# Altium PCB KlusterLab r2.0.PcbDoc (part 17 of 22) (continued)
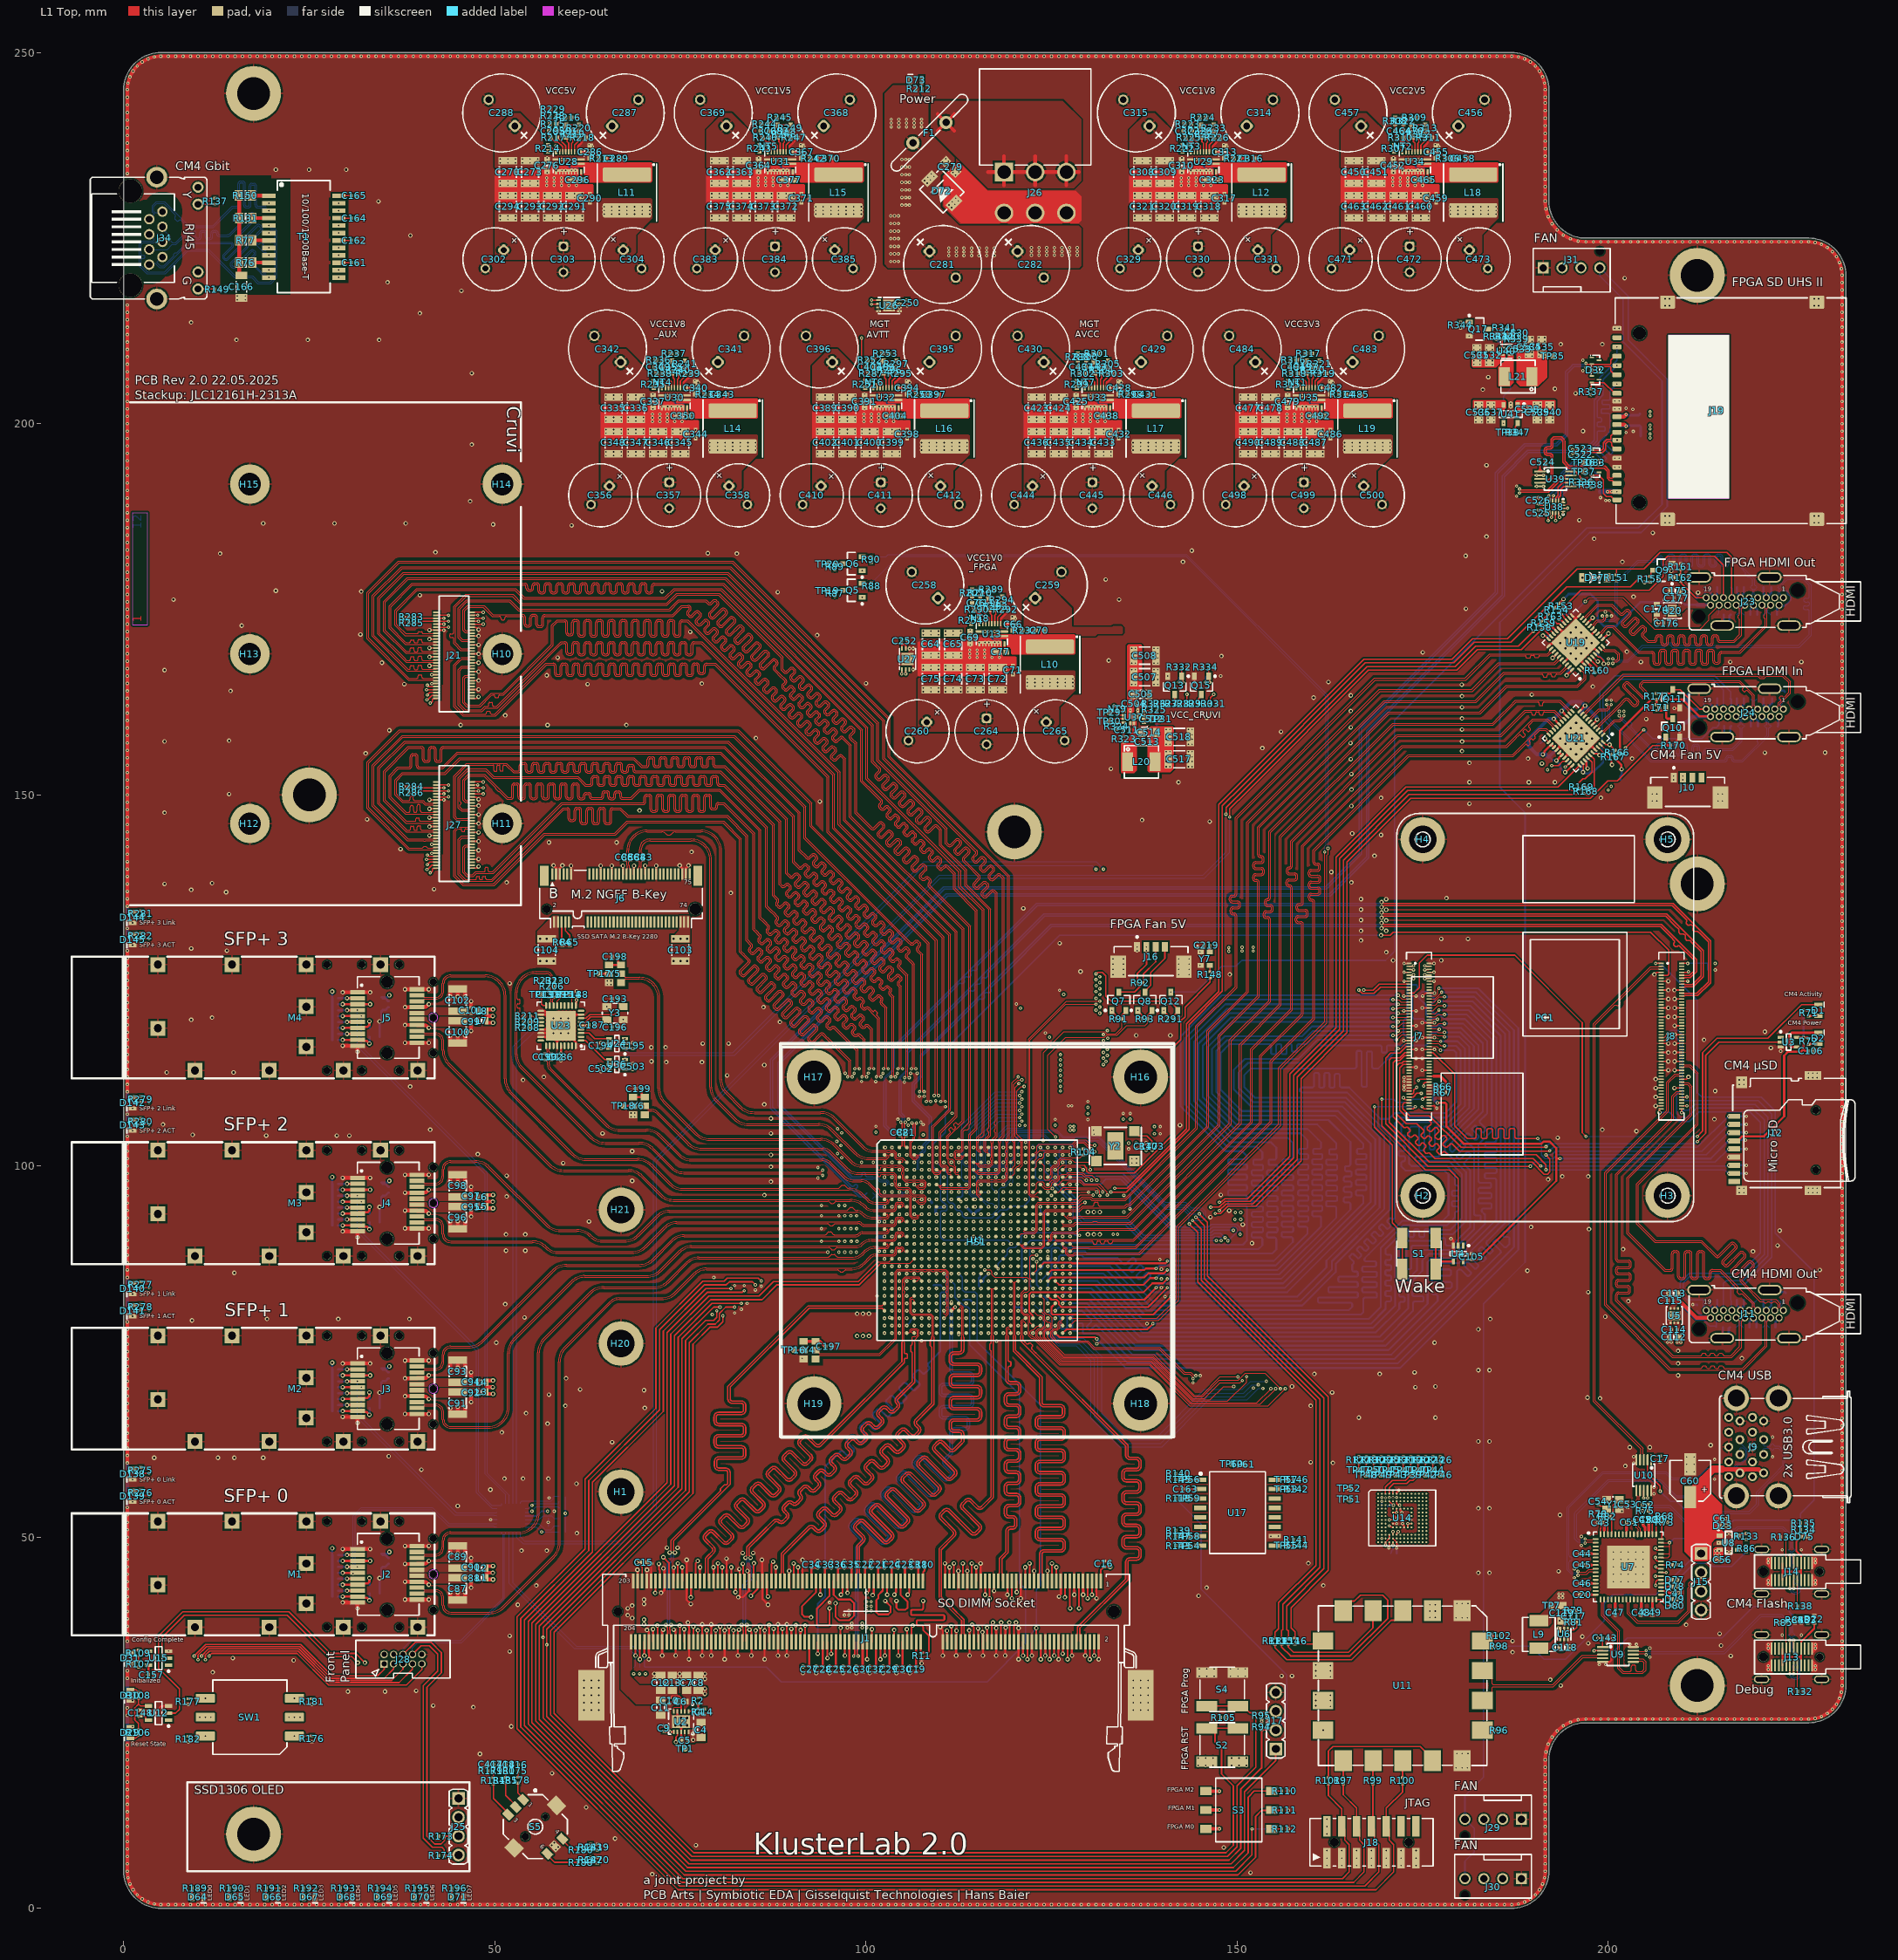
[diagram p0: L1 Top view]
## Nets (pads, with @x,y where several pads share a name; then routed paths per layer and width w, separated by ;. In a path a pad name is that pad's centre, name@x,y a point inside that pad or via, vN(x,y) a via of type N, cw(c..) or ccw(c..) an arc to the next point about the centre after c; other vN are vias at no path point) (continued)
MGTX115_RX2_N: J4.12 U1.L3 | length 71.2
  L1 Top w0.1: 101.586,91.887 101.6,91.9 103.71,91.9 ccw(c103.71,92.29) 104.099,92.29 ; 104.101,92.293 104.101,92.644 cw(c104.357,92.644) 104.357,92.9 104.689,92.9 ; U1.L3@104.5,92.5 104.802,92.5 ; 104.669,92.9 104.682,92.9 cw(c104.681,92.8) 104.689,92.9 cw(c104.669,92.645) 104.905,92.742 cw(c104.669,92.645) 104.925,92.644 104.925,92.61 cw(c104.814,92.61) 104.814,92.5
  L1 Top w0.114: J4.12@39.5,92.4 40.2,92.4 40.48,92.68 41.98,92.68 cw(c41.98,91.759) 42.9,91.759 42.9,90.841 ccw(c44.061,90.841) 44.061,89.68 44.911,89.68 55.017,89.68 cw(c55.017,87.114) 56.831,88.928 56.88,88.88 ccw(c58.4,90.4) 58.4,88.25 68.447,88.25 ccw(c68.447,91.056) 70.431,89.072 72.979,91.62 cw(c74.5,90.099) 74.5,92.25 90.326,92.25 94.796,92.25 cw(c94.796,92.064) 94.928,92.195 95.121,92.003 ccw(c95.249,92.131) 95.249,91.95 95.449,91.95 ccw(c95.449,92.131) 95.577,92.003 95.824,92.25 98.9,92.25 98.938,92.25 cw(c98.938,91.738) 99.3,92.1 ccw(c99.849,92.649) 99.849,91.873 101.586,91.873
MGTX115_RX2_P: J4.13 U1.L4 | length 71.3
  L1 Top w0.1: 101.586,92.114 101.6,92.1 103.65,92.1 ccw(c103.65,92.351) 103.901,92.351 103.901,92.71 cw(c104.29,92.71) 104.29,93.1 104.353,93.1 ; 104.357,93.1 ccw(c104.357,92.644) 104.353,93.1 ; 105.125,92.61 105.125,92.644 ccw(c104.669,92.645) 105.124,92.656 ; 105.125,92.71 ccw(c104.735,92.71) 104.735,93.1 104.353,93.1 ; 105.125,92.61 ccw(c105.236,92.61) 105.236,92.5 ; 105.125,92.656 cw(c105.225,92.659) 105.125,92.659 105.125,92.71 ; 105.247,92.5 U1.L4@105.5,92.5 U1.L4@105.549,92.5
  L1 Top w0.114: J4.13@39.5,93.2 40.2,93.2 40.48,92.92 41.98,92.92 cw(c41.98,91.759) 43.141,91.759 43.141,90.841 ccw(c44.061,90.841) 44.061,89.92 44.811,89.92 55.017,89.92 cw(c55.017,87.114) 57.002,89.098 57.05,89.05 ccw(c58.4,90.4) 58.4,88.491 68.447,88.491 ccw(c68.447,91.056) 70.261,89.242 72.809,91.79 cw(c74.5,90.099) 74.5,92.491 98.938,92.491 cw(c98.938,91.738) 99.47,92.27 ccw(c99.849,92.649) 99.849,92.114 101.586,92.114
MGTX115_RX3_N: J5.12 U1.J3 | length 77.9
  L1 Top w0.1: 101.586,93.887 101.6,93.9 103.71,93.9 ccw(c103.71,94.29) 104.099,94.29 ; 104.101,94.293 104.101,94.644 cw(c104.357,94.644) 104.357,94.9 104.689,94.9 ; U1.J3@104.5,94.5 104.802,94.5 ; 104.669,94.9 104.682,94.9 cw(c104.681,94.8) 104.689,94.9 ; 104.814,94.5 ccw(c104.814,94.61) 104.925,94.61 104.925,94.644 ccw(c104.669,94.645) 104.905,94.742 ccw(c104.669,94.645) 104.689,94.9
  L1 Top w0.114: J5.12@39.5,117.4 40.2,117.4 40.48,117.68 41.98,117.68 cw(c41.98,116.759) 42.9,116.759 42.9,115.841 42.9,115.611 ccw(c45.681,115.611) 43.714,113.645 57.278,100.081 ccw(c59.263,102.065) 59.263,99.259 67.947,99.259 cw(c67.947,96.694) 69.761,98.508 72.309,95.96 ccw(c74,97.651) 74,95.259 94.894,95.259 94.896,95.258 cw(c94.896,95.072) 95.027,95.203 95.22,95.011 ccw(c95.348,95.139) 95.348,94.958 95.548,94.958 ccw(c95.548,95.139) 95.676,95.011 95.868,95.203 cw(c96,95.072) 96,95.258 96.001,95.259 97.889,95.259 cw(c97.889,92.719) 99.685,94.515 99.71,94.49 ccw(c101.2,95.98) 101.2,93.873 101.586,93.873
MGTX115_RX3_P: J5.13 U1.J4 | length 78
  L1 Top w0.1: 101.586,94.114 101.6,94.1 103.65,94.1 ccw(c103.65,94.351) 103.901,94.351 103.901,94.71 cw(c104.29,94.71) 104.29,95.1 104.353,95.1 ; 104.357,95.1 ccw(c104.357,94.644) 104.353,95.1 ; 105.125,94.61 105.125,94.644 ccw(c104.669,94.645) 105.124,94.656 ; 105.125,94.71 ccw(c104.735,94.71) 104.735,95.1 104.353,95.1 ; 105.125,94.61 ccw(c105.236,94.61) 105.236,94.5 ; 105.125,94.656 cw(c105.225,94.659) 105.125,94.659 105.125,94.71 ; 105.247,94.5 U1.J4@105.5,94.5 U1.J4@105.549,94.5
  L1 Top w0.114: J5.13@39.5,118.2 40.2,118.2 40.48,117.92 41.98,117.92 cw(c41.98,116.759) 43.141,116.759 43.141,115.611 ccw(c45.681,115.611) 43.885,113.815 57.449,100.251 ccw(c59.263,102.065) 59.263,99.5 67.947,99.5 cw(c67.947,96.694) 69.931,98.678 72.479,96.13 ccw(c74,97.651) 74,95.5 97.889,95.5 cw(c97.889,92.719) 99.855,94.686 99.97,94.57 ccw(c101.073,95.673) 101.073,94.114 101.586,94.114
MGTX115_TX0_N: J2.19 U1.P1 | length 95.7
  L1 Top w0.1: 101.382,89.12 101.382,89.1 102.689,89.1 ; U1.P1@102.5,89.5 102.802,89.5 ; 102.669,89.1 102.682,89.1 ccw(c102.681,89.2) 102.689,89.1 ; 102.814,89.5 cw(c102.814,89.39) 102.925,89.39 102.925,89.356 cw(c102.669,89.355) 102.905,89.258 cw(c102.669,89.355) 102.689,89.1
  L1 Top w0.114: J2.19@39.5,48 40.2,48 40.48,47.72 41.98,47.72 ccw(c41.98,48.641) 42.9,48.641 42.9,49.559 cw(c44.061,49.559) 44.061,50.72 45.561,50.72 53.219,50.72 ccw(c53.219,53.26) 55.759,53.26 55.759,74.848 cw(c58.54,74.848) 56.574,76.814 62.678,82.919 cw(c64.663,80.935) 64.663,83.741 71.447,83.741 ccw(c71.447,86.306) 73.261,84.492 75.809,87.04 cw(c77.5,85.349) 77.5,87.741 ; 77.5,87.743 94.95,87.743 ccw(c94.95,87.929) 95.082,87.797 95.305,88.02 cw(c95.433,87.892) 95.433,88.073 95.711,88.067 cw(c95.711,87.886) 95.839,88.014 96.056,87.797 ccw(c96.188,87.929) 96.188,87.743 98.289,87.743 98.291,87.741 ccw(c98.291,89.309) 99.4,88.2 99.712,88.512 ; 99.709,88.509 cw(c101.203,87.015) 99.712,88.512 ; 99.78,88.58 99.712,88.512 ; 101.382,89.12 ccw(c101.203,87.015) 99.712,88.512
MGTX115_TX0_P: J2.18 U1.P2 | length 95.7
  L1 Top w0.1: 101.371,88.9 101.382,88.9 ; 101.382,88.88 101.382,88.9 ; 103.124,89.344 ccw(c102.669,89.355) 103.125,89.356 103.125,89.39 cw(c103.236,89.39) 103.236,89.5 ; 103.125,89.344 ccw(c103.225,89.341) 103.125,89.341 103.125,89.29 cw(c102.735,89.29) 102.735,88.9 101.382,88.9 ; 103.247,89.5 U1.P2@103.5,89.5 U1.P2@103.549,89.5
  L1 Top w0.114: J2.18@39.5,47.2 40.2,47.2 40.48,47.48 41.98,47.48 ccw(c41.98,48.641) 43.141,48.641 43.141,49.559 cw(c44.061,49.559) 44.061,50.48 45.561,50.48 48.719,50.48 53.219,50.48 ccw(c53.219,53.26) 56,53.26 56,62.3 56,74.848 cw(c58.54,74.848) 56.744,76.644 62.849,82.749 cw(c64.663,80.935) 64.663,83.5 71.447,83.5 ccw(c71.447,86.306) 73.431,84.322 75.979,86.87 cw(c77.5,85.349) 77.499,87.5 98.291,87.5 ccw(c98.291,89.309) 99.57,88.03 99.879,88.339 cw(c101.203,87.015) 101.361,88.88 ccw(c101.382,89.12) 101.382,88.88
MGTX115_TX1_N: J3.19 U1.M1 | length 72.5
  L1 Top w0.1: 101.85,91.1 102.689,91.1 ; U1.M1@102.5,91.5 102.802,91.5 ; 102.669,91.1 102.682,91.1 ccw(c102.681,91.2) 102.689,91.1 ccw(c102.669,91.355) 102.905,91.258 ccw(c102.669,91.355) 102.925,91.356 102.925,91.39 ccw(c102.814,91.39) 102.814,91.5
  L1 Top w0.114: J3.19@39.5,73 40.2,73 40.48,72.72 41.98,72.72 ccw(c41.98,73.641) 42.9,73.641 42.9,74.559 cw(c44.061,74.559) 44.061,75.72 44.811,75.72 46.428,75.72 ccw(c46.428,78.26) 48.224,76.464 57.678,85.919 cw(c59.663,83.935) 59.663,86.741 69.447,86.741 ccw(c69.447,89.306) 71.261,87.492 73.809,90.04 cw(c75.5,88.349) 75.5,90.741 94.5,90.74 ; 94.5,90.741 ccw(c94.5,90.927) 94.632,90.795 94.893,91.057 cw(c95.021,90.929) 95.021,91.11 95.222,91.11 cw(c95.222,90.929) 95.35,91.057 95.612,90.795 ccw(c95.744,90.927) 95.744,90.741 98.616,90.741 ccw(c98.616,91.284) 99,90.9 cw(c99.53,90.37) 99.53,91.119 101.856,91.119
MGTX115_TX1_P: J3.18 U1.M2 | length 72.5
  L1 Top w0.1: 101.85,90.9 102.735,90.9 ccw(c102.735,91.29) 103.125,91.29 103.125,91.341 cw(c103.225,91.341) 103.125,91.344 ; 103.124,91.344 ccw(c102.669,91.355) 103.125,91.356 103.125,91.39 cw(c103.236,91.39) 103.236,91.5 ; 103.247,91.5 U1.M2@103.5,91.5 U1.M2@103.549,91.5
  L1 Top w0.114: J3.18@39.5,72.2 40.2,72.2 40.48,72.48 41.98,72.48 ccw(c41.98,73.641) 43.141,73.641 43.141,74.559 cw(c44.061,74.559) 44.061,75.48 44.911,75.48 46.428,75.48 ccw(c46.428,78.26) 48.394,76.294 57.849,85.749 cw(c59.663,83.935) 59.663,86.5 69.447,86.5 ccw(c69.447,89.306) 71.431,87.322 73.979,89.87 cw(c75.5,88.349) 75.5,90.5 98.616,90.5 ccw(c98.616,91.284) 99.17,90.73 cw(c99.53,90.37) 99.53,90.879 101.856,90.879
MGTX115_TX2_N: J4.19 U1.K1 | length 72.3
  L1 Top w0.1: 101.418,93.108 101.426,93.1 102.689,93.1 ; U1.K1@102.5,93.5 102.802,93.5 ; 102.669,93.1 102.682,93.1 ccw(c102.681,93.2) 102.689,93.1 ; 102.814,93.5 cw(c102.814,93.39) 102.925,93.39 102.925,93.356 cw(c102.669,93.355) 102.905,93.258 cw(c102.669,93.355) 102.689,93.1
  L1 Top w0.114: J4.19@39.5,98 40.2,98 40.48,97.72 41.98,97.72 ccw(c41.98,98.641) 42.9,98.641 42.9,99.559 cw(c44.061,99.559) 44.061,100.72 45.2,100.72 47.328,100.72 cw(c47.328,97.94) 49.294,99.906 57.019,92.181 ccw(c58.833,93.995) 58.833,91.43 61.067,91.43 cw(c61.067,88.623) 63.051,90.608 63.1,90.559 ccw(c64.45,91.909) 64.45,90 67.447,90 ccw(c67.447,92.565) 69.261,90.751 71.809,93.3 cw(c73.5,91.609) 73.5,94 97.275,93.999 97.373,94 ; 97.372,93.999 97.373,94 ; 98.678,93.999 98.676,94.001 ; 101.418,93.108 100.927,93.108 cw(c100.927,95.027) 99.57,93.67 ccw(c98.774,92.874) 98.774,94 98.676,94.001 ; 97.373,94 ccw(c97.373,94.186) 97.505,94.055 97.799,94.349 cw(c97.927,94.221) 97.927,94.402 98.122,94.403 cw(c98.122,94.222) 98.25,94.35 98.545,94.055 ccw(c98.676,94.187) 98.676,94.001
MGTX115_TX2_P: J4.18 U1.K2 | length 72.3
  L1 Top w0.1: 101.418,92.868 cw(c101.496,92.79) 101.496,92.9 102.735,92.9 ccw(c102.735,93.29) 103.125,93.29 103.125,93.341 cw(c103.225,93.341) 103.125,93.344 ; 103.124,93.344 ccw(c102.669,93.355) 103.125,93.356 103.125,93.39 cw(c103.236,93.39) 103.236,93.5 ; 103.247,93.5 U1.K2@103.5,93.5 U1.K2@103.549,93.5
  L1 Top w0.114: J4.18@39.5,97.2 40.2,97.2 40.48,97.48 41.98,97.48 ccw(c41.98,98.641) 43.141,98.641 43.141,99.559 cw(c44.061,99.559) 44.061,100.48 45.1,100.48 47.328,100.48 cw(c47.328,97.94) 49.124,99.736 56.849,92.011 ccw(c58.833,93.995) 58.833,91.189 61.067,91.189 cw(c61.067,88.623) 62.881,90.437 ; 62.93,90.389 ccw(c64.45,91.909) 64.45,89.759 67.447,89.759 ccw(c67.447,92.565) 69.431,90.581 71.979,93.129 cw(c73.5,91.609) 73.5,93.759 ; 73.5,93.76 98.774,93.759 cw(c98.774,92.874) 99.4,93.5 ccw(c100.927,95.027) 100.927,92.868 101.418,92.868
MGTX115_TX3_N: J5.19 U1.H1 | length 86.3
  L1 Top w0.1: 101.2,95.148 ccw(c101.315,95.263) 101.315,95.1 102.689,95.1 ; U1.H1@102.5,95.5 102.802,95.5 ; 102.669,95.1 102.682,95.1 ccw(c102.681,95.2) 102.689,95.1 ; 102.814,95.5 cw(c102.814,95.39) 102.925,95.39 102.925,95.356 cw(c102.669,95.355) 102.905,95.258 cw(c102.669,95.355) 102.689,95.1
  L1 Top w0.114: J5.19@39.5,123 40.2,123 40.48,122.72 41.98,122.72 ccw(c41.98,123.641) 42.9,123.641 42.9,124.559 cw(c44.061,124.559) 44.061,125.72 45.561,125.72 48.719,125.72 cw(c48.719,122.94) 51.5,122.94 51.5,111.752 ccw(c54.04,111.752) 52.244,109.956 60.449,101.751 ccw(c62.263,103.565) 62.263,101 69.197,101 cw(c69.197,98.194) 71.181,100.178 73.729,97.63 ccw(c75.25,99.151) 75.25,97 96.194,97 96.292,97.001 ; 96.29,97 96.292,97.001 ; 97.592,96.999 97.591,97.001 ; 101.2,95.148 cw(c101.2,96.372) 100.334,95.506 99.655,96.186 ccw(c97.689,94.219) 97.689,97 97.591,97.001 ; 96.292,97.001 ccw(c96.292,97.187) 96.423,97.056 96.718,97.35 cw(c96.846,97.222) 96.846,97.403 97.036,97.403 cw(c97.036,97.222) 97.164,97.35 97.459,97.055 ccw(c97.591,97.187) 97.591,97.001
MGTX115_TX3_P: J5.18 U1.H2 | length 86.3
  L1 Top w0.1: 101.315,94.9 101.566,94.9 102.735,94.9 ccw(c102.735,95.29) 103.125,95.29 103.125,95.341 cw(c103.225,95.341) 103.125,95.344 ; 103.124,95.344 ccw(c102.669,95.355) 103.125,95.356 103.125,95.39 cw(c103.236,95.39) 103.236,95.5 ; 103.247,95.5 U1.H2@103.5,95.5 U1.H2@103.549,95.5
  L1 Top w0.114: J5.18@39.5,122.2 40.2,122.2 40.48,122.48 41.98,122.48 ccw(c41.98,123.641) 43.141,123.641 43.141,124.559 cw(c44.061,124.559) 44.061,125.48 45.561,125.48 48.719,125.48 cw(c48.719,122.94) 51.259,122.94 51.259,111.752 ccw(c54.04,111.752) 52.074,109.786 60.278,101.581 ccw(c62.263,103.565) 62.263,100.759 69.197,100.759 cw(c69.197,98.194) 71.011,100.008 73.559,97.46 ccw(c75.25,99.151) 75.25,96.759 97.689,96.759 cw(c97.689,94.219) 99.485,96.015 100.164,95.336 ccw(c101.2,96.372) 101.2,94.907 101.256,94.898 ccw(c101.315,95.263) 101.315,94.893
NetC14_1: C14.1 R2.2 R4.2 U2.1 | length 2.9
  L1 Top w0.2: U2.1@76.1,26.55 76.45,26.55 76.745,26.845 R4.2@77.4,26.845 ; R2.2@77.4,27.555 R4.2@77.4,26.845 ; C14.1@78.2,26.845 R4.2@77.4,26.845
NetC53_2: C53.2 R82.1 U7.61 Y1.3 | length 6.5
  L1 Top w0.15: U7.61@200.45,50.4 200.45,52.25 200.322,52.378 200.322,52.673 R82.1@200.245,52.75 200.245,52.8 200.65,53.205 200.65,54.3 201.4,55.05 Y1.3@201.5,55.05 201.755,54.795 C53.2@202.6,54.795
NetC54_2: C54.2 R82.2 U7.62 Y1.1 | length 5
  L1 Top w0.15: C54.2@198.65,54.405 198.7,54.405 198.949,54.156 199.294,54.156 199.7,53.75 Y1.1@199.8,53.75 ; Y1.1@199.75,53.7 199.455,53.405 R82.2@199.455,52.75 199.455,52.7 199.95,52.205 U7.62@199.95,50.4
NetC70_1: C70.1 R232.2 | length 1
  L1 Top w0.3: R232.2@121.875,172.15 C70.1@122.85,172.15
NetC70_2: C70.2 L10.1 U13.20
NetC76_1: C76.1 R207.1 R290.2 U13.7 | length 4.7
  L1 Top w0.2: R207.1@114.3,176.775 C76.1@114.3,175.85 114.3,175.2 114.55,174.95 114.6,174.95 114.775,174.775 114.775,174.679 115.088,174.367 115.446,174.367 116.15,173.663 U13.7@116.15,173.05
NetC76_2: C76.2 R210.2 R289.1 | length 2.4
  L1 Top w0.2: C76.2@115.4,175.85 R210.2@115.4,176.775 115.4,176.8 115.725,177.125 115.925,177.125 116.45,177.65 R289.1@116.475,177.65
NetC77_1: C77.1 R254.1 U13.19 | length 9.1
  L1 Top w0.3: U13.19@118.65,170.35 118.65,169.475 118.833,169.292 v1(118.9,169.292)
  L10 Inner9 (Sig) w0.3: v1(114.15,173.075) 117.879,173.075 118.421,172.533 118.421,171.367 118.9,170.888 v1(118.9,169.292)
NetC87_1: C87.1 C88.1 J2.15 L1.2
NetC89_1: C89.1 C90.1 J2.16 L2.2
NetC91_1: C91.1 C92.1 J3.15 L3.2
NetC93_1: C93.1 C94.1 J3.16 L4.2
NetC95_1: C95.1 C96.1 J4.15 L5.2
NetC97_1: C97.1 C98.1 J4.16 L6.2
NetC99_1: C99.1 C100.1 J5.15 L7.2
NetC101_1: C101.1 C102.1 J5.16 L8.2
NetC111_1: C111.1 U13.5 | length 2.2
  L1 Top w0.2: C111.1@116.535,175.075 116.763,174.847 116.763,174.387 116.95,174.2 U13.5@116.95,173.05
NetC111_2: C111.2 R290.1 R294.1 U13.6 | length 6.3
  L1 Top w0.2: R290.1@115.425,174.95 115.436,174.95 R290.1@115.45,174.95 ; U13.6@116.55,173.05 116.55,173.836 115.625,174.761 115.625,174.775 R290.1@115.45,174.95 ; R294.1@118.35,176.675 116.635,176.675 C111.2@116.535,176.575 116.286,176.326 116.286,176.025 115.943,175.682 115.943,175.468 115.625,175.15 115.625,175.125 R290.1@115.45,174.95
NetC117_1: C117.1 R79.1 R81.2 U6.1 | length 3.7
  L1 Top w0.2: U6.1@194.55,37.475 195.375,37.475 195.745,37.845 R79.1@195.745,40.15
NetC160_2: C160.2 U14.C2 | length 0.7
  L12 Bottom w0.189: v3(169.495,54.804) 169.498,54.802 169.498,54.131 C160.2@169.5,54.129
NetC161_2: C161.2 T1.15 | length 1.7
  L1 Top w0.15: T1.15@28.97,221.7 C161.2@30.655,221.7
NetC162_2: C162.2 T1.18 | length 1.7
  L1 Top w0.15: T1.18@28.97,224.7 C162.2@30.655,224.7
NetC164_2: C164.2 T1.21 | length 1.7
  L1 Top w0.15: T1.21@28.97,227.7 C164.2@30.655,227.7
NetC165_2: C165.2 T1.24 | length 1.7
  L1 Top w0.15: T1.24@28.97,230.7 C165.2@30.655,230.7
NetC166_1: C166.1 R76.2 R77.2 R131.2 R150.2 | length 10.9
  L1 Top w0.5: R150.2@15.525,230.75 15.55,230.725 15.55,227.725 R131.2@15.575,227.7 R77.2@15.575,224.7 R76.2@15.575,221.7 15.575,220.2 15.825,219.95 C166.1@15.85,219.95
NetC180_2: C180.2 U21.21 | length 1.6
  L1 Top w0.2: v2(191.497,157.554) 191.921,157.13 191.987,157.13 U21.21@191.988,157.132
  L12 Bottom w0.2: C180.2@190.79,156.947 190.89,156.947 v2(191.497,157.554)
NetC193_2: C193.2 U23.7 Y3.1 | length 7.6
  L1 Top w0.15: U23.7@61.61,119.9 62.3,119.9 62.8,120.4 66.1,120.4 Y3.1@67.175,121.475 ; C193.2@66.595,122.5 66.615,122.48 66.615,122.035 Y3.1@67.175,121.475 ; Y3.1@67.3,121.475 Y3.1@67.175,121.475
NetC196_2: C196.2 U23.6 Y3.3 | length 5.3
  L1 Top w0.15: U23.6@61.61,119.4 62.2,119.4 62.9,120.1 64.725,120.1 Y3.3@65.1,119.725 65.225,119.725 65.785,119.165 65.785,118.72 C196.2@65.805,118.7
NetC289_1: C289.1 R213.2 | length 1
  L1 Top w0.3: R213.2@64.875,235.75 C289.1@65.85,235.75
NetC289_2: C289.2 L11.1 U28.20
NetC295_1: C295.1 R215.1 R217.2 U28.7 | length 4.7
  L1 Top w0.2: R215.1@57.3,240.375 C295.1@57.3,239.45 57.3,238.8 57.55,238.55 57.6,238.55 57.775,238.375 57.775,238.279 58.106,237.948 58.489,237.948 59.15,237.288 U28.7@59.15,236.65
NetC295_2: C295.2 R215.2 R216.1 | length 2.4
  L1 Top w0.2: C295.2@58.4,239.45 58.4,240.375 58.4,240.4 58.725,240.725 58.925,240.725 59.45,241.25 R216.1@59.475,241.25
NetC296_1: C296.1 R214.1 U28.19 | length 9.1
  L1 Top w0.3: U28.19@61.65,233.95 61.65,233.075 61.833,232.892 v1(61.9,232.892)
  L10 Inner9 (Sig) w0.3: v1(57.15,236.675) 60.879,236.675 61.421,236.133 61.421,234.967 61.9,234.488 v1(61.9,232.892)
NetC301_1: C301.1 U28.5 | length 2.2
  L1 Top w0.2: C301.1@59.535,238.675 59.763,238.447 59.763,237.987 59.95,237.8 U28.5@59.95,236.65
NetC301_2: C301.2 R217.1 R220.1 U28.6 | length 6.3
  L1 Top w0.2: R217.1@58.425,238.55 58.436,238.55 R217.1@58.45,238.55 ; U28.6@59.55,236.65 59.55,237.436 58.625,238.361 58.625,238.375 R217.1@58.45,238.55 ; R220.1@61.35,240.275 59.635,240.275 C301.2@59.535,240.175 59.286,239.926 59.286,239.625 58.943,239.282 58.943,239.068 58.625,238.75 58.625,238.725 R217.1@58.45,238.55
NetC316_1: C316.1 R221.2 | length 1
  L1 Top w0.3: R221.2@150.375,235.75 C316.1@151.35,235.75
NetC316_2: C316.2 L12.1 U29.20
NetC322_1: C322.1 R223.1 R225.2 U29.7 | length 4.7
  L1 Top w0.2: R223.1@142.8,240.375 C322.1@142.8,239.45 142.8,238.8 143.05,238.55 143.1,238.55 143.275,238.375 143.275,238.279 143.563,237.992 143.946,237.992 144.65,237.288 U29.7@144.65,236.65
NetC322_2: C322.2 R223.2 R224.1 | length 2.4
  L1 Top w0.2: C322.2@143.9,239.45 143.9,240.375 143.9,240.4 144.225,240.725 144.425,240.725 144.95,241.25 R224.1@144.975,241.25
NetC323_1: C323.1 R222.1 U29.19 | length 9.1
  L1 Top w0.3: U29.19@147.15,233.95 147.15,233.075 147.333,232.892 v1(147.4,232.892)
  L10 Inner9 (Sig) w0.3: v1(142.65,236.675) 146.379,236.675 146.921,236.133 146.921,234.967 147.4,234.488 v1(147.4,232.892)
NetC328_1: C328.1 U29.5 | length 2.2
  L1 Top w0.2: C328.1@145.035,238.675 145.263,238.447 145.263,237.987 145.45,237.8 U29.5@145.45,236.65
NetC328_2: C328.2 R225.1 R233.1 U29.6 | length 6.3
  L1 Top w0.2: R225.1@143.925,238.55 143.936,238.55 R225.1@143.95,238.55 ; U29.6@145.05,236.65 145.05,237.436 144.125,238.361 144.125,238.375 R225.1@143.95,238.55 ; R233.1@146.85,240.275 145.135,240.275 C328.2@145.035,240.175 144.786,239.926 144.786,239.625 144.443,239.282 144.443,239.068 144.125,238.75 144.125,238.725 R225.1@143.95,238.55
NetC343_1: C343.1 R234.2 | length 1
  L1 Top w0.3: R234.2@79.125,203.95 C343.1@80.1,203.95
NetC343_2: C343.2 L14.1 U30.20
NetC349_1: C349.1 R236.1 R238.2 U30.7 | length 4.7
  L1 Top w0.2: R236.1@71.55,208.575 C349.1@71.55,207.65 71.55,207 71.8,206.75 71.85,206.75 72.025,206.575 72.025,206.479 72.338,206.167 72.696,206.167 73.4,205.463 U30.7@73.4,204.85
NetC349_2: C349.2 R236.2 R237.1 | length 2.4
  L1 Top w0.2: C349.2@72.65,207.65 72.65,208.575 72.65,208.6 72.975,208.925 73.175,208.925 73.7,209.45 R237.1@73.725,209.45
NetC350_1: C350.1 R235.1 U30.19 | length 9.1
  L1 Top w0.3: U30.19@75.9,202.15 75.9,201.275 76.083,201.092 v1(76.15,201.092)
  L10 Inner9 (Sig) w0.3: v1(71.4,204.875) 75.129,204.875 75.671,204.333 75.671,203.167 76.15,202.688 v1(76.15,201.092)
NetC355_1: C355.1 U30.5 | length 2.2
  L1 Top w0.2: C355.1@73.785,206.875 74.013,206.647 74.013,206.187 74.2,206 U30.5@74.2,204.85
NetC355_2: C355.2 R238.1 R241.1 U30.6 | length 6.3
  L1 Top w0.2: R238.1@72.675,206.75 72.686,206.75 R238.1@72.7,206.75 ; U30.6@73.8,204.85 73.8,205.636 72.875,206.561 72.875,206.575 R238.1@72.7,206.75 ; R241.1@75.6,208.475 73.885,208.475 C355.2@73.785,208.375 73.536,208.126 73.536,207.825 73.193,207.482 73.193,207.268 72.875,206.95 72.875,206.925 R238.1@72.7,206.75
NetC370_1: C370.1 R242.2 | length 1
  L1 Top w0.3: R242.2@93.375,235.75 C370.1@94.35,235.75
NetC370_2: C370.2 L15.1 U31.20
NetC376_1: C376.1 R244.1 R246.2 U31.7 | length 4.7
  L1 Top w0.2: R244.1@85.8,240.375 C376.1@85.8,239.45 85.8,238.8 86.05,238.55 86.1,238.55 86.275,238.375 86.275,238.279 86.588,237.967 86.946,237.967 87.65,237.263 U31.7@87.65,236.65
NetC376_2: C376.2 R244.2 R245.1 | length 2.4
  L1 Top w0.2: C376.2@86.9,239.45 86.9,240.375 86.9,240.4 87.225,240.725 87.425,240.725 87.95,241.25 R245.1@87.975,241.25
NetC377_1: C377.1 R243.1 U31.19 | length 9.1
  L1 Top w0.3: U31.19@90.15,233.95 90.15,233.075 90.333,232.892 v1(90.4,232.892)
  L10 Inner9 (Sig) w0.3: v1(85.65,236.675) 89.379,236.675 89.921,236.133 89.921,234.967 90.4,234.488 v1(90.4,232.892)
NetC382_1: C382.1 U31.5 | length 2.2
  L1 Top w0.2: C382.1@88.035,238.675 88.263,238.447 88.263,237.987 88.45,237.8 U31.5@88.45,236.65
NetC382_2: C382.2 R246.1 R249.1 U31.6 | length 6.3
  L1 Top w0.2: R246.1@86.925,238.55 86.936,238.55 R246.1@86.95,238.55 ; U31.6@88.05,236.65 88.05,237.436 87.125,238.361 87.125,238.375 R246.1@86.95,238.55 ; R249.1@89.85,240.275 88.135,240.275 C382.2@88.035,240.175 87.786,239.926 87.786,239.625 87.443,239.282 87.443,239.068 87.125,238.75 87.125,238.725 R246.1@86.95,238.55
NetC397_1: C397.1 R250.2 | length 1
  L1 Top w0.3: R250.2@107.625,203.95 C397.1@108.6,203.95
NetC397_2: C397.2 L16.1 U32.20
NetC403_1: C403.1 R252.1 R287.2 U32.7 | length 4.7
  L1 Top w0.2: R252.1@100.05,208.575 C403.1@100.05,207.65 100.05,207 100.3,206.75 100.35,206.75 100.525,206.575 100.525,206.479 100.838,206.167 101.196,206.167 101.9,205.463 U32.7@101.9,204.85
NetC403_2: C403.2 R252.2 R253.1 | length 2.4
  L1 Top w0.2: C403.2@101.15,207.65 101.15,208.575 101.15,208.6 101.475,208.925 101.675,208.925 102.2,209.45 R253.1@102.225,209.45
NetC404_1: C404.1 R251.1 U32.19 | length 9.1
  L1 Top w0.3: U32.19@104.4,202.15 104.4,201.275 104.583,201.092 v1(104.65,201.092)
  L10 Inner9 (Sig) w0.3: v1(99.9,204.875) 103.629,204.875 104.171,204.333 104.171,203.167 104.65,202.688 v1(104.65,201.092)
NetC409_1: C409.1 U32.5 | length 2.2
  L1 Top w0.2: C409.1@102.285,206.875 102.513,206.647 102.513,206.187 102.7,206 U32.5@102.7,204.85
NetC409_2: C409.2 R287.1 R297.1 U32.6 | length 6.3
  L1 Top w0.2: R287.1@101.175,206.75 101.186,206.75 R287.1@101.2,206.75 ; U32.6@102.3,204.85 102.3,205.636 101.375,206.561 101.375,206.575 R287.1@101.2,206.75 ; R297.1@104.1,208.475 102.385,208.475 C409.2@102.285,208.375 102.036,208.126 102.036,207.825 101.693,207.482 101.693,207.268 101.375,206.95 101.375,206.925 R287.1@101.2,206.75
NetC431_1: C431.1 R298.2 | length 1
  L1 Top w0.3: R298.2@136.125,203.95 C431.1@137.1,203.95
NetC431_2: C431.2 L17.1 U33.20
NetC437_1: C437.1 R288.1 R302.2 U33.7 | length 4.7
  L1 Top w0.2: R288.1@128.55,208.575 C437.1@128.55,207.65 128.55,207 128.8,206.75 128.85,206.75 129.025,206.575 129.025,206.479 129.338,206.167 129.696,206.167 130.4,205.463 U33.7@130.4,204.85
NetC437_2: C437.2 R300.2 R301.1 | length 2.4
  L1 Top w0.2: C437.2@129.65,207.65 R300.2@129.65,208.575 129.65,208.6 129.975,208.925 130.175,208.925 130.7,209.45 R301.1@130.725,209.45
NetC438_1: C438.1 R299.1 U33.19 | length 9.1
  L1 Top w0.3: U33.19@132.9,202.15 132.9,201.275 133.083,201.092 v1(133.15,201.092)
  L10 Inner9 (Sig) w0.3: v1(128.4,204.875) 132.129,204.875 132.671,204.333 132.671,203.167 133.15,202.688 v1(133.15,201.092)
NetC443_1: C443.1 U33.5 | length 2.2
  L1 Top w0.2: C443.1@130.785,206.875 131.013,206.647 131.013,206.187 131.2,206 U33.5@131.2,204.85
NetC443_2: C443.2 R302.1 R305.1 U33.6 | length 6.3
  L1 Top w0.2: R302.1@129.675,206.75 129.686,206.75 R302.1@129.7,206.75 ; U33.6@130.8,204.85 130.8,205.636 129.875,206.561 129.875,206.575 R302.1@129.7,206.75 ; R305.1@132.6,208.475 130.885,208.475 C443.2@130.785,208.375 130.536,208.126 130.536,207.825 130.193,207.482 130.193,207.268 129.875,206.95 129.875,206.925 R302.1@129.7,206.75
NetC458_1: C458.1 R306.2 | length 1
  L1 Top w0.3: R306.2@178.875,235.75 C458.1@179.85,235.75
NetC458_2: C458.2 L18.1 U34.20
NetC464_1: C464.1 R308.1 R310.2 U34.7 | length 4.7
  L1 Top w0.2: R308.1@171.3,240.375 C464.1@171.3,239.45 171.3,238.8 171.55,238.55 171.6,238.55 171.775,238.375 171.775,238.279 172.063,237.992 172.446,237.992 173.15,237.288 U34.7@173.15,236.65
NetC464_2: C464.2 R309.1 R322.2 | length 2.4
  L1 Top w0.2: C464.2@172.4,239.45 R322.2@172.4,240.375 172.4,240.4 172.725,240.725 172.925,240.725 173.45,241.25 R309.1@173.475,241.25
NetC465_1: C465.1 R307.1 U34.19 | length 9.1
  L1 Top w0.3: U34.19@175.65,233.95 175.65,233.075 175.832,232.892 v1(175.9,232.892)
  L10 Inner9 (Sig) w0.3: v1(171.15,236.675) 174.879,236.675 175.421,236.133 175.421,234.967 175.9,234.488 v1(175.9,232.892)
NetC470_1: C470.1 U34.5 | length 2.2
  L1 Top w0.2: C470.1@173.535,238.675 173.763,238.447 173.763,237.987 173.95,237.8 U34.5@173.95,236.65
NetC470_2: C470.2 R310.1 R313.1 U34.6 | length 6.3
  L1 Top w0.2: R310.1@172.425,238.55 172.436,238.55 R310.1@172.45,238.55 ; U34.6@173.55,236.65 173.55,237.436 172.625,238.361 172.625,238.375 R310.1@172.45,238.55 ; R313.1@175.35,240.275 173.635,240.275 C470.2@173.535,240.175 173.286,239.926 173.286,239.625 172.943,239.282 172.943,239.068 172.625,238.75 172.625,238.725 R310.1@172.45,238.55
NetC485_1: C485.1 R314.2 | length 1
  L1 Top w0.3: R314.2@164.625,203.95 C485.1@165.6,203.95
NetC485_2: C485.2 L19.1 U35.20
NetC491_1: C491.1 R316.1 R318.2 U35.7 | length 4.8
  L1 Top w0.2: R316.1@157.05,208.575 C491.1@157.05,207.65 157.05,207 157.3,206.75 157.35,206.75 157.525,206.575 157.525,206.479 157.838,206.167 158.196,206.167 158.9,205.463 U35.7@158.9,204.85 U35.7@158.9,204.825
NetC491_2: C491.2 R316.2 R317.1 | length 2.4
  L1 Top w0.2: C491.2@158.15,207.65 158.15,208.575 158.15,208.6 158.475,208.925 158.675,208.925 159.2,209.45 R317.1@159.225,209.45
NetC492_1: C492.1 R315.1 U35.19 | length 9.1
  L1 Top w0.3: U35.19@161.4,202.15 161.4,201.275 161.583,201.092 v1(161.65,201.092)
  L10 Inner9 (Sig) w0.3: v1(156.9,204.875) 160.629,204.875 161.171,204.333 161.171,203.167 161.65,202.688 v1(161.65,201.092)
NetC497_1: C497.1 U35.5 | length 2.2
  L1 Top w0.2: C497.1@159.285,206.875 159.513,206.647 159.513,206.187 159.7,206 U35.5@159.7,204.85
NetC497_2: C497.2 R318.1 R321.1 U35.6 | length 6.3
  L1 Top w0.2: R318.1@158.175,206.75 158.186,206.75 R318.1@158.2,206.75 ; U35.6@159.3,204.85 159.3,205.636 158.375,206.561 158.375,206.575 R318.1@158.2,206.75 ; R321.1@161.1,208.475 159.385,208.475 C497.2@159.285,208.375 159.036,208.126 159.036,207.825 158.693,207.482 158.693,207.268 158.375,206.95 158.375,206.925 R318.1@158.2,206.75
NetC511_1: C511.1 R323.2 | length 0.9
  L1 Top w0.25: C511.1@134.705,158.75 134.727,158.728 134.727,157.918 R323.2@134.75,157.895
NetC511_2: C511.2 U37.7 | length 0.9
  L1 Top w0.25: C511.2@135.495,158.75 135.555,158.81 135.555,159.605 U37.7@135.6,159.65
NetC512_1: C512.1 U37.9 | length 1
  L1 Top w0.15: U37.9@137.45,159.75 137.9,159.75 138.005,159.855 C512.1@138.45,159.855
NetC530_1: C530.1 R339.1 R340.2 R342.2 U40.1 | length 3.5
  L1 Top w0.15: U40.1@185.725,210.25 185.7,210.275 R342.2@185.7,211.355 R340.2@186.5,211.355 187.21,211.355 R339.1@187.255,211.4 C530.1@187.255,212.2
NetD1_2: D1.2 R71.1 | length 1.3
  L1 Top w0.3: R71.1@227,120.205 227.023,120.228 228.278,120.228 D1.2@228.3,120.25
NetD2_1: D2.1 U3.4 | length 6.4
  L1 Top w0.3: U3.4@225.375,116.05 224.65,116.05 224.4,116.3 224.4,117.6 224.75,117.95 D2.1@228.3,117.95
NetD2_2: D2.2 R72.1 | length 1.3
  L1 Top w0.3: R72.1@227,116.405 227.022,116.428 228.278,116.428 D2.2@228.3,116.45
NetD22_1: D22.1 J13.A4 J13.A9 J13.B4 J13.B9 R83.1 | length 12.7
  L1 Top w0.15: R83.1@226.86,38.423 227.648,38.423 D22.1@227.75,38.525
  L1 Top w0.25: J13.B9@223.475,32.721 J13.A4@223.475,34.996 ; 223.501,33.713 223.647,33.859 ; 223.501,34.006 223.647,33.859 ; 225.949,33.713 225.803,33.859 ; 225.949,34.006 225.803,33.859 ; J13.B4@225.975,32.721 225.975,35.919 227.75,37.694 D22.1@227.75,38.525 ; 223.647,33.859 225.803,33.859
NetD29_1: D29.1 R106.2 | length 1.3
  L1 Top w0.2: D29.1@0.9,22.95 1.645,22.95 1.86,23.165 1.86,23.215 1.95,23.305 R106.2@2,23.305
NetD30_2: D30.2 R108.2 | length 1.3
  L1 Top w0.2: D30.2@0.9,29.45 1.645,29.45 1.86,29.235 1.86,29.185 1.95,29.095 R108.2@2,29.095
NetD31_2: D31.2 R109.1 | length 1.3
  L1 Top w0.2: D31.2@0.9,34.45 1.175,34.45 1.35,34.625 1.35,34.678 1.467,34.795 R109.1@2,34.795
NetD37_1: D37.1 R151.1 | length 1.4
  L1 Top w0.2: D37.1@199.847,179.254 199.847,179.214 200.202,178.859 R151.1@201.097,178.859
NetD64_2: D64.2 R189.1 | length 1.2
  L1 Top w0.2: R189.1@9.105,2.6 9.178,2.528 9.178,1.573 D64.2@9.25,1.5
NetD65_2: D65.2 R190.1 | length 1.2
  L1 Top w0.2: R190.1@14.105,2.6 14.178,2.528 14.178,1.573 D65.2@14.25,1.5
NetD66_2: D66.2 R191.1 | length 1.2
  L1 Top w0.2: R191.1@19.105,2.6 19.178,2.528 19.178,1.573 D66.2@19.25,1.5
NetD67_2: D67.2 R192.1 | length 1.2
  L1 Top w0.2: R192.1@24.105,2.6 24.178,2.528 24.178,1.573 D67.2@24.25,1.5